# KiCad board ergotonic_f24.kicad_pcb (continued)
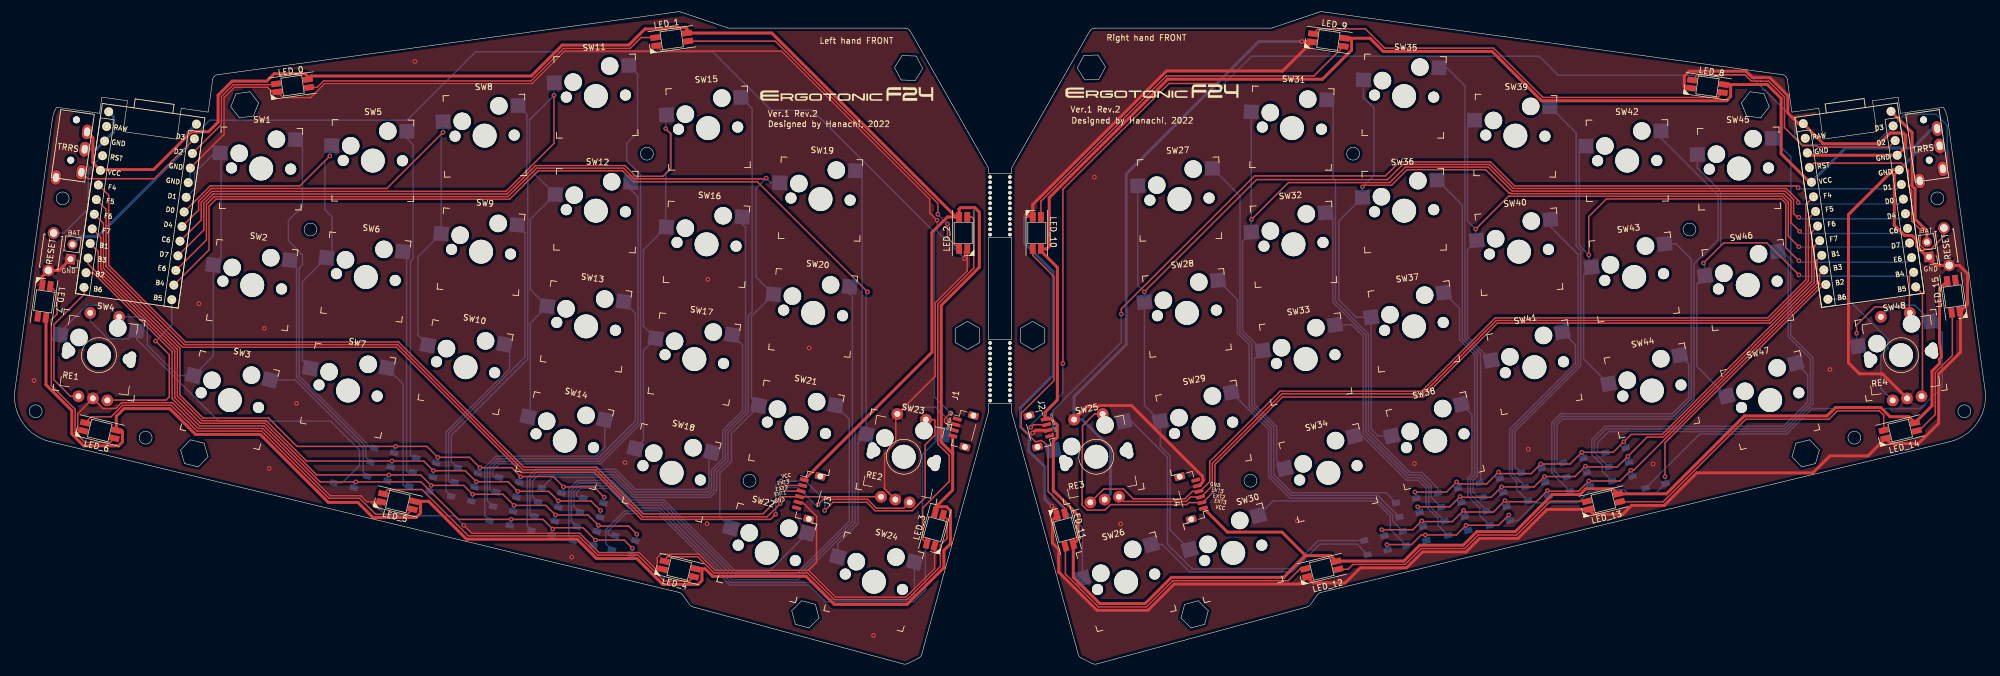
[diagram p0: board, top side]
## Routing (per net, layer and track width the routed paths; a pad name or vN(x,y) marks a point on that pad's centre or on a via; arc(x,y) is an arc through that point) (continued)
VCC2: length 475.7
  Top w0.5: J2.4 177.45,43.35 179.54,45.43 179.54,68.25 176.71,71.07 LED_10.1 177.71,71.42 178.14,71.85 178.14,80.24 198.5,100.61 225.06,100.61 230.05,105.6 230.05,107.34 229.74,107.65 LED_9.1 233.22,107.65 235.49,105.38 254.19,105.38 262.68,96.89 294.39,96.89 295.14,97.64 295.14,99.38 294.84,99.69 LED_8.1 301.43,99.69 303.8,97.31 303.8,87.79 308.69,82.9 U2.21 ; LED_15.1 332.31,65.9 330.99,64.59 330.99,55.31 331.03,55.28 331.36,52.95 330.99,52.47 330.99,51.7 329.71,50.42 329.71,44.46 LED_14.1 325.71,42.58 322.5,42.58 320.91,44.17 313.14,44.17 311.69,42.72 297.5,42.72 284.09,29.32 LED_13.1 274.93,30.19 270.26,30.19 269.26,29.2 264.54,29.2 258.16,22.82 251.56,22.82 249.23,20.48 241.76,20.48 239.03,17.76 227.49,17.76 LED_12.1 226.46,18.7 222.14,18.7 ; 177.35,42.17 178.54,42.17 179.52,41.19 179.52,39.04 178.84,38.35 178.84,29.93 183.12,25.65 183.12,21.5 LED_11.1 182.27,14.99 186.81,10.45 194.62,10.45 199.12,14.96 218.4,14.96 222.14,18.7 ; 222.14,18.7 218.11,22.74 208.74,22.74 J4.1
  Bottom w0.5: TRRS2.B 329.77,92.13 326.41,88.76 314.88,88.76 U2.21
BAT: length 31.2
  Bottom w0.5: BAT1.2 11.83,73.57 14.79,73.57 30.17,88.95 30.17,91.31 U1.26
BAT2: length 25
  Top w0.5: U2.26 326.29,91.46 326.29,82.26 326.81,81.75 326.81,76.55 328.84,74.52 BAT2.2
C1: length 83.5
  Bottom w0.25: SW4.1 8.33,57.15 12.94,61.76 16.42,61.76 RE1.S1 22.35,59.74 23.29,58.8 23.29,54.87 28.51,49.65 SW3.1 34.62,53.04 SW2.1 35.96,70.01 35.96,87.76 SW1.1 34.83,87.93 31.41,84.5 31.41,81.74 U1.5
C2: length 70.9
  Top w0.25: v1(54.63,87.41) 49.49,82.27 34.09,82.27 U1.6
  Bottom w0.25: SW7.1 49.93,52.26 49.93,65.79 SW6.1 54.99,70.85 54.99,76.97 53.79,78.17 53.79,86.57 v1(54.63,87.41) 54.63,88.88 SW5.1
C3: length 93.3
  Top w0.25: U1.7 32.09,78.11 32.09,79.63 34.28,81.82 64.41,81.82 v1(74.06,91.47)
  Bottom w0.25: SW8.1 74.06,93.29 v1(74.06,91.47) 73.73,91.14 SW9.1 69.74,70.05 69.74,56.59 SW10.1
C4: length 146.5
  Top w0.25: U1.8 32.54,76.39 32.54,79.45 34.41,81.32 84.86,81.32 93.11,89.57 v1(93.11,97.82)
  Bottom w0.25: SW11.1 93.11,99.96 v1(93.11,97.82) 88.92,93.63 88.92,85.18 SW12.1 89.05,76.52 89.05,64.46 SW13.1 89.05,58.67 89.05,42.95 SW14.1
C5: length 164.4
  Top w0.25: U1.9 32.99,74.68 32.99,79.26 34.6,80.87 85.05,80.87 89.94,85.76 105.3,85.76 107.14,83.92 111.84,83.92 113.19,85.27 113.19,91.2 v1(112.29,92.11)
  Bottom w0.25: SW15.1 112.29,94.36 v1(112.29,92.11) 113.09,91.3 113.09,85.27 112.29,84.47 112.29,75.3 SW16.1 108.48,71.28 108.48,58.15 SW17.1 108.48,53.95 108.48,38.53 SW18.1
C6: length 183.4
  Top w0.25: v1(129.56,83.6) 129.43,83.47 106.89,83.47 105.05,85.31 90.12,85.31 85.23,80.42 34.79,80.42 33.44,79.07 33.44,72.97 U1.10
  Bottom w0.25: SW19.1 130.38,82.78 v1(129.56,83.6) 127.78,81.82 127.78,66.63 SW20.1 127.02,59.85 127.02,45.77 SW21.1 128.27,44.35 123.59,39.67 123.59,34.87 121.59,32.87 121.59,25.35 SW22.1
C7: length 187.9
  Top w0.25: v1(146.96,64.04) 128.03,82.97 106.76,82.97 104.87,84.86 90.38,84.86 85.49,79.97 35.09,79.97 33.89,78.77 33.89,71.26 U1.11
  Bottom w0.25: SW24.1 141.86,20.74 145.32,24.2 145.32,38.17 SW23.1 146.71,63.79 v1(146.96,64.04)
C8: length 199.9
  Top w0.25: v1(190.52,60.23) 190.52,61.13 213.38,83.98 235.86,83.98 238.27,86.39 253.89,86.39 258.01,82.27 306.4,82.27 v1(306.72,81.95)
  Bottom w0.25: SW26.1 183.84,23.53 178.77,28.59 178.77,43.66 190.52,55.4 v1(190.52,60.23) ; v1(306.72,81.95) 306.93,81.74 323.68,81.74 U2.5
C9: length 209
  Top w0.25: v1(194.46,64.04) 213.76,83.34 236.24,83.34 238.84,85.94 253.71,85.94 257.83,81.82 304.68,81.82 306.72,79.77 v1(306.72,79.41)
  Bottom w0.25: U2.6 323.96,79.15 306.98,79.15 v1(306.72,79.41) ; SW30.1 198.89,23.11 198.89,35.86 197.21,37.54 SW29.1 194.49,44.52 SW28.1 194.49,64.01 v1(194.46,64.04) 193.34,65.16 SW27.1
C10: length 187.6
  Top w0.25: v1(306.85,76.87) 306.59,76.87 305.94,77.52 305.94,79.92 304.49,81.37 257.64,81.37 253.52,85.49 239.28,85.49 236.61,82.83 219.21,82.83 v1(212.87,76.49)
  Bottom w0.25: U2.7 324.29,76.61 307.11,76.61 v1(306.85,76.87) ; SW34.1 217.19,35.07 217.19,40.9 213.38,44.71 213.38,52.54 SW33.1 211.35,57.39 211.35,72.81 SW32.1 212.85,76.46 v1(212.87,76.49) 212.82,76.54 SW31.1
C11: length 173
  Top w0.25: v1(231.92,82.1) 232.2,82.38 236.92,82.38 239.58,85.04 253.09,85.04 257.13,81 257.38,81 257.46,80.92 304.21,80.92 305.49,79.64 305.49,75.94 v1(306.98,74.45)
  Bottom w0.25: v1(306.98,74.45) 307.36,74.07 324.62,74.07 U2.8 ; SW35.1 232.08,97.48 233.89,95.67 233.89,84.07 v1(231.92,82.1) 231.91,82.09 SW36.1 227.86,76.23 227.86,62.64 230.81,59.69 SW37.1 233.4,40.47 234.59,39.27 SW38.1
C12: length 128.9
  Top w0.25: v1(306.85,71.79) 305.04,73.6 305.04,79.46 304.03,80.47 257.27,80.47 257.25,80.49 257.01,80.49 v1(251.35,74.83)
  Bottom w0.25: v1(306.85,71.79) 306.89,71.75 325.16,71.75 U2.9 ; SW39.1 249.96,92.39 249.96,76.23 v1(251.35,74.83) 251.35,73.08 SW40.1 249.96,71.34 249.96,56.34 SW41.1
C13: length 117.1
  Top w0.25: v1(270.78,70.39) 270.78,76.99 273.81,80.02 303.84,80.02 304.59,79.27 304.59,71.63 v1(306.85,69.37)
  Bottom w0.25: SW42.1 269.13,87.97 269.13,72.04 v1(270.78,70.39) 270.78,68.77 SW43.1 269.89,66.96 269.89,52.53 SW44.1 ; v1(306.85,69.37) 307.06,69.16 325.45,69.16 U2.10
C14: length 109.3
  Top w0.25: v1(316.76,56.93) 316.76,58.32 319.87,61.44 324.89,61.44 RE4.S1 325.83,60.5 325.83,66.68 U2.11 ; v1(306.85,66.96) 301.35,72.46 293.94,72.46 v1(290.47,68.99)
  Bottom w0.25: SW48.1 316.76,54.95 v1(316.76,56.93) ; SW47.1 289.33,51.24 289.33,65.41 SW46.1 290.72,68.74 v1(290.47,68.99) 293.44,71.97 293.44,81.31 289.42,85.33 SW45.1 ; v1(306.85,66.96) 307.09,66.72 325.87,66.72 U2.11
D4: length 67.2
  Bottom w0.25: RE1.S2 13.49,59.03 16.55,55.96 20.07,55.96 SW4.2 21.49,55.87 35.54,41.81 54.76,41.81 59.71,36.86 59.71,34.19 56.72,31.21 D4.2
D48: length 80.8
  Bottom w0.25: RE4.S2 322.96,61.76 326.71,61.76 SW48.2 331.47,57 331.47,47.77 327.68,43.97 309.14,43.97 304.74,39.58 289.81,39.58 D48.2
DATA: length 205.4
  Top w0.25: v1(161.18,43.21) 160.17,42.2 160.17,41.69 161.61,40.25 J1.3 ; U1.1 24.52,83.51 13.08,83.51 TRRS1.D
  Bottom w0.25: 31.43,90.96 34.01,93.55 67.89,93.55 79.65,105.31 120.38,105.31 130.43,95.26 133.28,95.26 ; v1(161.18,43.21) 158.45,45.95 158.45,74.29 137.48,95.26 132.84,95.26
DATA2: length 227.2
  Top w0.25: v1(180.49,51.72) 180.49,81.66 198.69,99.87 206.99,99.87 v1(207.59,99.27) ; J2.3 175.45,41.22 v1(174.97,40.74) 175.33,41.1
  Bottom w0.25: v1(180.49,51.72) 180.49,46.64 174.97,41.13 v1(174.97,40.74) ; v1(207.59,99.27) 212.89,104.56 262.26,104.56 265.53,101.3 298.42,101.3 306.17,93.55 306.17,90.69 307.5,89.36 319.82,89.36 U2.1 325.06,94.59 330.37,94.59 332.3,92.67 332.3,85.93 TRRS2.D
ENC2_A: length 156.9
  Top w0.25: RE3.A 187.5,30.14 190.89,30.14 192.58,28.45 201.42,28.45 202.72,29.75 J4.4 204.03,29.75 205.69,31.41 205.69,34.87 217.79,46.97 242.12,46.97 254.72,59.57 301.51,59.57 308.04,66.1 308.04,79.06 U2.20
ENC2_B: length 149.1
  Top w0.25: U2.19 308.49,76.64 308.49,65.91 301.7,59.12 254.91,59.12 242.31,46.52 218.11,46.52 206.14,34.56 206.14,30.7 204.22,28.78 202.4,28.78 201.62,28 190.93,28 RE3.B
ENC2_PUSH: length 172.4
  Top w0.25: RE3.S1 185.9,43.05 183.86,41 183.86,36.77 183.79,36.7 183.79,27.4 184.66,26.53 187.73,26.53 188.66,27.46 201.79,27.46 202.14,27.82 J4.2 204.48,27.82 206.59,29.93 206.59,34.37 218.19,45.97 242.39,45.97 255.09,58.67 301.89,58.67 309.05,65.84 309.05,74.33 U2.18
ENC_A: length 166.1
  Top w0.25: U1.20 16.66,80.66 16.66,68.61 29.85,55.42 66.44,55.42 87.96,33.89 100.44,33.89 108.46,25.87 128.99,25.87 131.94,28.82 RE2.A
ENC_B: length 177.9
  Top w0.25: v1(138.45,27.46) 139.36,28.37 146.94,28.37 148.46,26.85 153.17,26.85 RE2.B ; U1.19 16.21,78.24 16.21,68.43 29.66,54.97 66.25,54.97 87.78,33.44 100.25,33.44 108.33,25.37 129.71,25.37 v1(131.97,27.63) ; v1(132.1,30.38) 132.69,29.79 J3.3
  Bottom w0.25: v1(138.45,27.46) 137.94,27.46 135.02,30.38 v1(132.1,30.38) 131.97,30.26 v1(131.97,27.63)
ENC_PUSH: length 199.3
  Top w0.25: v1(139.59,26.45) 141.01,27.87 146.81,27.87 148.27,26.4 154.6,26.4 156.83,28.63 156.83,37.72 158.52,39.41 158.52,41.95 158.39,42.08 RE2.S1 ; J3.2 132.87,30.76 v1(132.1,31.53) ; v1(131.18,25.81) 130.29,24.92 108.14,24.92 100.07,32.99 87.59,32.99 66.06,54.52 29.35,54.52 15.76,68.11 15.76,75.82 U1.18
  Bottom w0.25: v1(131.18,25.81) 131.21,25.84 131.21,30.64 v1(132.1,31.53) 136.29,31.53 139.59,28.23 v1(139.59,26.45)
LED: length 22.1
  Top w0.25: U1.2 36.02,92.84 36.02,97.63 38.06,99.67 45.26,99.67 LED_0.4
LED2: length 43.9
  Top w0.25: LED_8.4 289.45,101.38 297.59,101.38 298.67,100.3 300.31,100.3 300.34,100.26 301.67,100.26 304.38,97.55 304.38,92.29 307.49,89.19 309.9,89.19 310.15,88.93 322.26,88.93 U2.2
R1: length 121.5
  Top w0.25: v1(101.75,28.73) 99.97,30.51 v1(94.76,30.51) 92.98,32.29 87.41,32.29 v1(87.39,32.27) 85.85,33.81 v1(80.41,33.81) 78.63,35.59 v1(73.17,35.59) 71.29,37.47 v1(65.93,37.47) 48.99,37.47 44.11,42.35 32.86,42.35 28.9,46.32 28.9,54.34 15.31,67.93 15.31,73.4 U1.17
  Bottom w0.25: D11.1 87.14,32.02 v1(87.39,32.27) ; D8.1 80.41,33.25 v1(80.41,33.81) ; D15.1 94.76,29.8 v1(94.76,30.51) ; D1.1 65.67,37.21 v1(65.93,37.47) ; D19.1 101.75,27.88 v1(101.75,28.73) ; v1(73.17,35.59) 73.17,34.91 D5.1
R2: length 119.8
  Top w0.25: U1.16 14.86,70.98 14.86,67.74 28.45,54.15 28.45,46.13 32.68,41.9 43.67,41.9 50.62,34.96 v1(65.3,34.96) 70.76,34.96 v1(72.41,33.31) 77.87,33.31 v1(79.78,31.4) 85.24,31.4 v1(86.89,29.75) 92.22,29.75 v1(93.87,28.1) 99.46,28.1 v1(101.11,26.45)
  Bottom w0.25: D20.1 101.11,25.4 v1(101.11,26.45) ; v1(65.3,34.96) 65.3,34.16 D2.1 ; v1(72.41,33.31) 72.41,32.3 D6.1 ; v1(86.89,29.75) 86.89,28.98 D12.1 ; D16.1 93.87,27.06 v1(93.87,28.1) ; v1(79.78,31.4) 79.78,30.77 D9.1
R3: length 127.2
  Top w0.25: U1.15 13.13,68.84 28,53.96 28,45.88 32.42,41.45 43.49,41.45 52.37,32.57 v1(64.79,32.57) 70.22,32.57 v1(72.03,30.77) 77.62,30.77 v1(79.14,29.24) 84.35,29.24 v1(86.25,27.34) 91.71,27.34 v1(93.36,25.69) 98.95,25.69 v1(100.73,23.91) 100.86,23.78 105.94,23.78 v1(107.33,22.38)
  Bottom w0.25: v1(93.36,25.69) 93.36,24.7 D17.1 ; v1(64.79,32.57) 64.51,32.28 D3.1 ; D10.1 79.14,28.28 v1(79.14,29.24) ; v1(100.73,23.91) 100.73,23.17 D21.1 ; D7.1 72.03,30.07 v1(72.03,30.77) ; D13.1 86.25,26.49 v1(86.25,27.34) ; D23.1 107.33,21.54 v1(107.33,22.38)
R4: length 123.9
  Top w0.25: v1(106.57,19.97) 105.18,21.37 v1(100.22,21.37) 98.1,23.49 93.11,23.49 v1(92.89,23.27) 91.24,24.92 v1(85.74,24.92) 76.72,24.92 70.27,31.37 v1(59.09,31.37) 52.93,31.37 43.3,41 32.24,41 27.55,45.69 27.55,53.78 14,67.33 U1.14
  Bottom w0.25: v1(92.89,23.27) 92.69,23.07 D18.1 ; v1(106.57,19.97) 106.57,18.93 D24.1 ; v1(100.22,21.37) 100.22,20.81 D22.1 ; D14.1 85.74,24.14 v1(85.74,24.92) ; v1(59.09,31.37) 58.76,31.04 D4.1
R5: length 98
  Top w0.25: v1(240.94,29.62) 246.34,29.62 v1(248.09,31.37) 248.44,31.02 253.24,31.02 v1(255.29,33.07) 255.56,32.8 260.88,32.8 v1(262.53,34.45) 267.57,34.45 v1(269.59,36.47) 274.99,36.47 v1(276.79,38.27) 278.06,39.54 283.39,39.54 309.5,65.65 309.5,71.91 U2.17
  Bottom w0.25: D39.1 262.53,33.89 v1(262.53,34.45) ; v1(248.09,31.37) 248.31,31.15 D31.1 ; v1(240.94,29.62) 241.14,29.42 D27.1 ; v1(269.59,36.47) 269.85,36.21 D42.1 ; D35.1 255.49,32.87 v1(255.29,33.07) ; D45.1 277.09,37.98 v1(276.79,38.27)
R6: length 96.3
  Top w0.25: v1(241.39,27.08) 246.9,27.08 v1(248.69,28.87) 248.83,28.73 254.02,28.73 v1(255.8,30.51) 261.39,30.51 v1(263.16,32.29) 268.41,32.29 v1(270.19,34.07) 270.32,33.94 275.66,33.94 v1(277.49,35.77) 280.81,39.09 283.58,39.09 309.95,65.46 309.95,69.49 U2.16
  Bottom w0.25: v1(270.19,34.07) 270.43,33.83 D43.1 ; v1(255.8,30.51) 255.8,29.88 D36.1 ; D46.1 277.67,35.59 v1(277.49,35.77) ; D40.1 263.16,31.41 v1(263.16,32.29) ; v1(248.69,28.87) 248.9,28.66 D32.1 ; v1(241.39,27.08) 241.72,26.75 D28.1
R7: length 103.7
  Top w0.25: v1(235.22,23.15) 240.57,23.15 v1(242.09,24.67) 242.22,24.54 247.36,24.54 v1(249.29,26.47) 249.57,26.19 254.42,26.19 v1(256.39,28.17) 256.59,27.97 261.79,27.97 v1(263.69,29.87) 263.79,29.77 269.03,29.77 v1(270.78,31.53) 276.15,31.53 v1(277.99,33.37) 278.49,33.37 310.4,65.28 310.4,67.07 U2.15
  Bottom w0.25: D33.1 249.48,26.28 v1(249.29,26.47) ; v1(270.78,31.53) 270.78,30.85 D44.1 ; D47.1 278.25,33.11 v1(277.99,33.37) ; v1(242.09,24.67) 242.3,24.46 D29.1 ; D25.1 235.67,22.7 v1(235.22,23.15) ; v1(256.39,28.17) 256.66,27.9 D37.1 ; D41.1 263.84,29.72 v1(263.69,29.87)
R8: length 103.1
  Top w0.25: v1(236.11,20.61) 240.37,20.61 242.02,22.26 v1(242.72,22.26) 248.05,22.26 v1(249.7,23.91) 255.29,23.91 v1(257.07,25.69) ; U2.14 311.05,65.29 283.86,38.11 v1(283.86,32.29)
  Bottom w0.25: D30.1 242.72,21.46 v1(242.72,22.26) ; v1(249.7,23.91) 249.7,23.38 D34.1 ; D26.1 236.26,20.46 v1(236.11,20.61) ; v1(283.86,32.29) 283.95,32.2 D48.1 282.15,29.3 277.62,29.3 276.84,30.07 272.39,30.07 271.96,29.64 270.76,29.64 268.89,27.77 261.68,27.77 258.64,24.74 D38.1 257.07,24.91 v1(257.07,25.69)
RE1A: length 23.4
  Top w0.25: U1.13 12.42,63.6 7.26,58.44 7.26,48.93 10.11,46.08 RE1.A
RE1B: length 29.7
  Top w0.25: RE1.B 16.48,45.44 26.51,45.44 27.07,46.01 27.07,53.23 v1(24.72,55.59)
  Bottom w0.25: U1.12 27.49,58.36 v1(24.72,55.59)
RE4A: length 25
  Bottom w0.25: RE4.A 320.95,47.39 320.95,53.15 322.14,54.34 322.14,55.92 315.28,62.78 U2.13
RE4B: length 19.4
  Top w0.25: U2.12 328.07,63.74 328.07,46.24 RE4.B
RESET: length 17.8
  Bottom w0.25: U1.22 13.17,85.02 13.17,78.35 8.98,74.16 SW_RESET1.1
RESET2: length 38.2
  Top w0.25: SW_RESET2.1 331.76,73.61 329.55,71.41 328.35,71.41 327.66,72.1 327.66,74.8 326.22,76.24 326.22,77.01 326.23,77.02 326.23,77.92 326.22,77.94 326.22,81.52 325.68,82.06 325.68,84.96 324.46,86.18 309.42,86.18 U2.22
Net-(D1-Pad2): length 61.3
  Bottom w0.25: SW1.2 49.93,89.05 49.93,78.77 47.52,76.36 47.52,72.8 49.93,70.39 49.93,68.68 49.36,68.12 49.36,49.57 61.72,37.21 D1.2
Net-(D2-Pad2): length 40.4
  Bottom w0.25: D2.2 60.79,35.62 60.79,37.5 48.91,49.38 48.91,68.33 SW2.2
Net-(D3-Pad2): length 26
  Bottom w0.25: SW3.2 48.69,48.9 60.34,37.24 60.34,33.06 D3.2
Net-(D5-Pad2): length 57.5
  Bottom w0.25: D5.2 69.09,35.85 68.56,35.85 68.47,35.94 68.47,69.28 68.93,69.73 68.93,89.36 67.88,90.41 SW5.2
Net-(D6-Pad2): length 39.1
  Bottom w0.25: SW6.2 67.8,70.36 67.8,33.31 68.06,33.05 D6.2
Net-(D7-Pad2): length 22.4
  Bottom w0.25: SW7.2 67.2,48.22 67.2,30.88 67.47,30.61 D7.2
Net-(D8-Pad2): length 68.9
  Bottom w0.25: SW8.2 88.47,94.57 88.47,84.99 88.6,84.86 88.6,52.48 75.49,39.38 75.49,34.9 D8.2
Net-(D9-Pad2): length 51.2
  Bottom w0.25: SW9.2 88.15,74.22 88.15,52.86 75.02,39.73 75.02,31.46 75.16,31.32 D9.2
Net-(D10-Pad2): length 31.4
  Bottom w0.25: D10.2 74.57,29.79 74.57,39.92 85.49,50.84 85.49,54.12 SW10.2
Net-(D11-Pad2): length 94.8
  Bottom w0.25: D11.2 82.97,32.15 82.56,32.57 82.56,33.29 83.71,34.45 101.05,34.45 107.98,41.38 107.98,84.19 105.59,86.58 105.59,89.57 107.46,91.44 107.46,101.49 SW11.2
Net-(D12-Pad2): length 75.3
  Bottom w0.25: SW12.2 106.32,81.62 107.53,80.41 107.53,41.57 100.86,34.9 83.53,34.9 82.11,33.48 82.11,30 82.51,29.6 D12.2
Net-(D13-Pad2): length 57.1
  Bottom w0.25: D13.2 81.66,28.15 81.66,33.67 83.34,35.35 83.59,35.35 100.61,35.35 107.08,41.81 107.08,60.38 SW13.2
Net-(D14-Pad2): length 36.2
  Bottom w0.25: D14.2 81.21,25.59 81.21,33.85 83.15,35.8 83.4,35.8 100.31,35.8 101.83,37.32 SW14.2
Net-(D15-Pad2): length 103.6
  Bottom w0.25: D15.2 92.85,32.16 103.15,32.16 106.59,28.72 119.9,28.72 121.04,29.87 121.04,33.06 122.98,34.99 122.98,39.86 126.46,43.34 126.46,59.92 127.13,60.6 127.13,95.58 SW15.2
Net-(D16-Pad2): length 86.8
  Bottom w0.25: SW16.2 125.46,75.67 126.01,75.12 126.01,43.53 122.53,40.05 122.53,35.21 120.59,33.27 120.59,30.05 119.71,29.17 106.78,29.17 103.34,32.61 90.51,32.61 89.44,31.54 89.44,28.85 D16.2
Net-(D17-Pad2): length 69.9
  Bottom w0.25: D17.2 89.1,25.44 88.99,25.56 88.99,31.85 90.22,33.08 103.51,33.08 106.97,29.62 119.53,29.62 120.14,30.24 120.14,33.46 122.08,35.39 122.08,40.24 125.49,43.65 125.49,54.89 SW17.2
Net-(D18-Pad2): length 48.9
  Bottom w0.25: SW18.2 119.69,35.92 119.69,30.42 119.34,30.07 107.15,30.07 103.69,33.53 90.02,33.53 88.54,32.05 88.54,23.71 D18.2
Net-(D19-Pad2): length 122
  Bottom w0.25: D19.2 97.45,28.58 97,29.03 97,29.57 97.68,30.26 102.51,30.26 105.9,26.87 111.36,26.87 123.67,14.56 135.02,14.56 144.8,24.34 144.8,40.59 146.01,41.8 146.01,83.75 SW19.2
Net-(D20-Pad2): length 103.3
  Bottom w0.25: D20.2 96.55,27.19 96.55,29.76 97.5,30.71 102.7,30.71 106.04,27.38 111.61,27.38 123.98,15.01 134.83,15.01 139.52,19.7 144.35,24.53 144.35,63.22 143.9,63.67 SW20.2
Net-(D21-Pad2): length 86
  Bottom w0.25: D21.2 96.1,24.62 96.1,29.95 97.33,31.18 102.87,31.18 106.22,27.82 111.8,27.82 124.17,15.46 134.64,15.46 143.79,24.61 143.79,42.18 SW21.2
Net-(D22-Pad2): length 60
  Bottom w0.25: D22.2 95.65,22.06 95.65,30.13 97.15,31.63 103.05,31.63 106.41,28.27 112,28.27 124.37,15.91 129.97,15.91 SW22.2
Net-(D23-Pad2): length 93.1
  Bottom w0.25: SW23.2 156.4,36.07 156.4,21.52 156.89,21.04 156.89,12.75 154.9,10.77 139.78,10.77 136.93,13.62 123.33,13.62 111.02,25.94 105.43,25.94 102.45,22.96 102.45,22.32 102.65,22.12 D23.2
Net-(D24-Pad2): length 70.4
  Bottom w0.25: SW24.2 155.01,11.98 154.24,11.22 140.09,11.22 137.24,14.07 123.52,14.07 111.2,26.39 105.24,26.39 102,23.15 102,20.74 D24.2
Net-(D25-Pad2): length 62.6
  Bottom w0.25: SW25.2 192.27,41.81 198.44,35.63 198.44,20.66 202.69,16.41 219.48,16.41 224.35,21.29 D25.2
Net-(D26-Pad2): length 41.8
  Bottom w0.25: SW26.2 197.53,20.63 202.25,15.91 219.86,15.91 224.62,20.67 230.99,20.67 D26.2
Net-(D27-Pad2): length 80
  Bottom w0.25: D27.2 235.93,29.51 219.84,29.51 216.69,32.65 216.69,40.76 212.93,44.52 212.93,55.18 210.9,57.21 210.9,80.54 SW27.2
Net-(D28-Pad2): length 62.3
  Bottom w0.25: SW28.2 210.45,62.7 210.45,57.02 212.48,54.99 212.48,44.33 216.24,40.57 216.24,32.46 219.65,29.06 234.53,29.06 D28.2
Net-(D29-Pad2): length 44.7
  Bottom w0.25: SW29.2 215.79,40.39 215.79,32.28 215.81,32.26 215.81,32.25 219.51,28.55 234.27,28.55 237.15,25.67 237.15,24.6 D29.2
Net-(D30-Pad2): length 30.9
  Bottom w0.25: D30.2 236.7,23.2 236.7,25.48 234.08,28.1 216.55,28.1 SW30.2
Net-(D31-Pad2): length 76.7
  Bottom w0.25: SW31.2 226.89,96 226.89,83.52 227.29,83.12 227.29,62.45 230.46,59.27 230.47,59.27 232.95,56.79 232.95,40.16 240.1,33 242.13,33 244.86,30.27 D31.2
Net-(D32-Pad2): length 60
  Bottom w0.25: D32.2 243.74,28.75 243.74,30.68 241.86,32.55 239.91,32.55 232.5,39.97 232.5,56.61 230.28,58.82 230.28,58.82 226.84,62.26 226.84,76.4 SW32.2
Net-(D33-Pad2): length 44.4
  Bottom w0.25: SW33.2 230.09,58.38 232.05,56.42 232.05,39.78 239.73,32.1 241.68,32.1 243.29,30.49 243.29,27.35 D33.2
Net-(D34-Pad2): length 25.7
  Bottom w0.25: SW34.2 231.89,39.27 239.51,31.65 241.49,31.65 242.84,30.3 242.84,27.14 244.91,25.07 244.91,23.89 D34.2
Net-(D35-Pad2): length 75.2
  Bottom w0.25: SW35.2 246.36,102.57 249.51,99.43 249.51,56.15 252.23,53.42 252.21,53.4 252.21,51.14 252.24,51.11 252.24,31.4 D35.2
Net-(D36-Pad2): length 58.8
  Bottom w0.25: SW36.2 249.06,78.96 249.06,55.96 251.62,53.4 251.62,32.35 250.92,31.66 250.92,29.64 251.79,28.77 D36.2
Net-(D37-Pad2): length 41.2
  Bottom w0.25: SW37.2 248.61,61.19 248.61,55.78 251.17,53.22 251.17,32.54 250.47,31.84 250.47,29.25 253.21,26.51 D37.2
Net-(D38-Pad2): length 23.4
  Bottom w0.25: SW38.2 250.72,42.95 250.72,32.73 250.02,32.03 250.02,28.92 252.09,26.86 252.09,25.61 D38.2
Net-(D39-Pad2): length 70.3
  Bottom w0.25: SW39.2 268.62,91.36 268.62,71.92 269.4,71.14 269.4,51.35 258.08,40.04 258.08,34.06 D39.2
Net-(D40-Pad2): length 53.5
  Bottom w0.25: D40.2 259.8,30.67 257.63,32.83 257.63,40.22 268.95,51.54 268.95,70.48 264.21,75.22 SW40.2
Net-(D41-Pad2): length 36
  Bottom w0.25: D41.2 258.39,30.06 258.39,31.44 257.18,32.65 257.18,40.42 268.5,51.73 268.5,54.92 SW41.2
Net-(D42-Pad2): length 84.8
  Bottom w0.25: D42.2 265.52,34.65 265.32,34.84 265.32,41.18 266.33,42.19 285.51,42.19 288.83,45.51 288.83,68.85 292.99,73.01 292.99,80.67 283.19,90.47 SW42.2
Net-(D43-Pad2): length 65.6
  Bottom w0.25: D43.2 265.95,32.21 264.87,33.29 264.87,41.36 266.14,42.64 285.32,42.64 288.38,45.7 288.38,69.68 285.76,72.3 SW43.2
Net-(D44-Pad2): length 46.3
  Bottom w0.25: D44.2 264.42,32.92 264.42,41.55 265.96,43.08 285.13,43.08 287.93,45.88 287.93,51.63 SW44.2
Net-(D45-Pad2): length 91.2
  Bottom w0.25: SW45.2 305.45,87.28 305.45,56.55 309.27,52.73 309.27,44.75 304.56,40.03 274.2,40.03 272.29,38.12 272.29,36.67 272.58,36.38 D45.2
Net-(D46-Pad2): length 73.7
  Bottom w0.25: SW46.2 305.01,69.22 305.01,56.36 308.83,52.54 308.83,44.93 304.37,40.48 273.76,40.48 271.74,38.45 271.74,36.43 D46.2
Net-(D47-Pad2): length 55.9
  Bottom w0.25: D47.2 273.1,33.23 273.1,34.27 271.29,36.07 271.29,38.64 273.58,40.93 304.18,40.93 308.38,45.12 308.38,49.75 SW47.2
Net-(LED_0-Pad2): length 63
  Top w0.25: LED_1.4 108.06,107.77 106.18,105.89 94.75,105.89 89.17,100.3 53.55,100.3 52.44,99.19 LED_0.2
Net-(LED_1-Pad2): length 63.8
  Top w0.25: v1(160.67,75.72) 160.67,73.34 162.59,71.42 LED_2.4 ; LED_1.2 131.09,107.15 159.02,79.22 v1(159.02,77.37)
  Bottom w0.25: v1(160.67,75.72) v1(159.02,77.37)
Net-(LED_2-Pad2): length 62.6
  Top w0.25: LED_3.4 156.4,21.47 156.4,26.87 160.97,31.44 160.97,35.94 159.02,37.88 159.02,43.41 159.02,43.41 159.02,61.97 165.18,68.12 165.18,76.56 164.82,76.92 LED_2.2
Net-(LED_3-Pad2): length 62.6
  Top w0.25: LED_3.2 160.6,25 160.6,21.68 159.47,20.54 159.47,16.86 153.72,11.11 141.27,11.11 136.66,15.72 120.59,15.72 117.81,18.51 112.6,18.51 112.11,18.02
Net-(LED_4-Pad2): length 60.5
  Top w0.25: LED_5.4 64.54,30.06 70.44,30.06 78.4,22.1 97.34,22.1 100.66,18.77 107.57,18.77 112.01,14.33 116.39,14.33 LED_4.2
Net-(LED_5-Pad2): length 65.6
  Top w0.25: LED_6.4 13.66,42.57 17.08,42.57 19.05,44.54 27.37,44.54 31.82,40.1 42.93,40.1 54.49,28.55 59.77,28.55 62.5,25.81 67.96,25.81 LED_5.2
Net-(LED_6-Pad2): length 35.6
  Top w0.25: LED_7.4 7.79,63.88 7.79,60.23 6.81,59.25 6.81,47.96 10.9,43.87 10.9,39.86 12.62,38.14 16.9,38.14 17.68,38.92
Net-(LED_8-Pad2): length 75.9
  Top w0.25: LED_8.2 292.94,97.46 262.92,97.46 254.43,105.95 235.73,105.95 232.43,109.26 224.28,109.26 LED_9.4
Net-(LED_10-Pad2): length 53.3
  Top w0.25: LED_11.4 180.84,26.84 177.95,29.74 177.95,37.47 177.16,38.26 176.75,38.49 175.81,38.24 173.34,40.71 173.34,43.18 178.96,48.8 178.96,66.66 175.31,70.31 LED_10.2
Net-(LED_10-Pad4): length 65.7
  Top w0.25: LED_9.2 223.61,101.18 198.27,101.18 176.71,79.63 LED_10.4
Net-(LED_11-Pad2): length 51
  Top w0.25: LED_12.4 221.22,16.43 219.18,14.38 199.36,14.38 194.86,9.88 186.58,9.88 180.92,15.53 LED_11.2
Net-(LED_12-Pad2): length 47.5
  Top w0.25: LED_13.4 264.19,28.03 258.4,22.24 251.8,22.24 249.46,19.91 242,19.91 239.27,17.18 230.29,17.18 229.46,16.35 LED_12.2
Net-(LED_13-Pad2): length 54.7
  Top w0.25: LED_13.2 283.54,27.96 297.73,42.15 312.01,42.15 313.46,43.59 320.67,43.59 321.42,42.84 LED_14.4
Net-(LED_14-Pad2): length 23.1
  Top w0.25: LED_15.4 333.2,60.34 333.2,53.1 330.28,50.18 330.28,42.97 327.48,40.16 LED_14.2

## Copper pours and planes (outline as drawn; the poured copper is in the pictures)
GND on Top, Bottom: 168.68,86.52 169.44,46.01 156.36,-1.24 -0.62,39.4 7.77,98.58 154.32,116.11
GND2 on Top, Bottom: 331.24,103.28 342.41,40.04 183.28,-0.48 171.22,44.48 171.22,86.77 185.31,115.98

## Text on the board
B.Silkscreen: D4 | D1 | D5 | D8 | D11 | D15 | D19 | D23 | Left hand Back | Right hand Back | D25 | D27 | D31 | D35 | D39 | D42 | D45 | D48
F.Silkscreen: VCC DATA GND | GND DATA VCC | GND | EXT3 | EXT2 | VCC | EXT1 | BAT | J2 | J4 | Ver.1 Rev.2 | Designed by Hanachi, 2022 | Left hand FRONT | Right hand FRONT | J3 | J1
